# KiCad board untitled.kicad_pcb (continued)
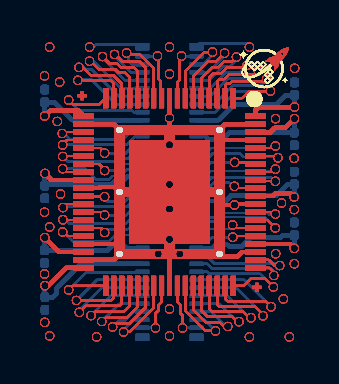
[diagram p0: board, top side]
## Routing (per net, layer and track width the routed paths; a pad name or vN(x,y) marks a point on that pad's centre or on a via; arc(x,y) is an arc through that point) (continued)
/PIN 49: length 235
  Top w0.1: 11.47,3.87 11.16,4.18 ; 11.47,3.87 11.56,3.87 ; 11.47,3.87 11.56,3.87 ; 11.47,3.87 11.16,4.18 ; 11.47,3.87 11.16,4.18 ; 11.47,3.87 11.56,3.87 ; 11.47,3.87 11.56,3.87 ; 11.47,3.87 11.56,3.87 ; 11.47,3.87 11.16,4.18 ; 11.47,3.87 11.16,4.18 ; 11.47,3.87 11.16,4.18 ; 11.47,3.87 11.56,3.87 ; 11.47,3.87 11.16,4.18 ; 11.47,3.87 11.56,3.87 ; 11.47,3.87 11.56,3.87 ; 11.47,3.87 11.16,4.18 ; 11.47,3.87 11.56,3.87 ; 11.47,3.87 11.56,3.87 ; 11.47,3.87 11.16,4.18 ; 11.47,3.87 11.16,4.18 ; 11.47,3.87 11.56,3.87 ; 11.47,3.87 11.56,3.87 ; 11.47,3.87 11.16,4.18 ; 11.47,3.87 11.16,4.18 ; 11.47,3.87 11.56,3.87 ; 11.47,3.87 11.56,3.87 ; 11.47,3.87 11.56,3.87 ; 11.47,3.87 11.16,4.18 ; 11.47,3.87 11.16,4.18 ; 11.47,3.87 11.16,4.18 ; 11.47,3.87 11.16,4.18 ; 11.47,3.87 11.16,4.18 ; 11.47,3.87 11.56,3.87 ; 11.47,3.87 11.16,4.18 ; 11.47,3.87 11.56,3.87 ; 11.47,3.87 11.16,4.18 ; 11.47,3.87 11.16,4.18 ; 11.47,3.87 11.16,4.18 ; 11.47,3.87 11.56,3.87 ; 11.47,3.87 11.16,4.18 ; 11.47,3.87 11.16,4.18 ; 11.47,3.87 11.16,4.18 ; 11.47,3.87 11.56,3.87 ; 11.47,3.87 11.56,3.87 ; 11.47,3.87 11.56,3.87 ; 11.47,3.87 11.56,3.87 ; 11.47,3.87 11.56,3.87 ; 11.47,3.87 11.56,3.87 ; 11.47,3.87 11.56,3.87 ; 11.47,3.87 11.16,4.18 ; 11.47,3.87 11.56,3.87 ; 11.47,3.87 11.16,4.18 ; 11.47,3.87 11.16,4.18 ; 11.47,3.87 11.56,3.87 ; 11.47,3.87 11.16,4.18 ; 11.47,3.87 11.56,3.87 ; 11.47,3.87 11.16,4.18 ; 11.47,3.87 11.56,3.87 ; 11.47,3.87 11.16,4.18 ; 11.47,3.87 11.56,3.87 ; 11.47,3.87 11.56,3.87 ; 11.47,3.87 11.16,4.18 ; 11.47,3.87 11.16,4.18 ; 11.47,3.87 11.56,3.87 ; 11.47,3.87 11.56,3.87 ; 11.47,3.87 11.56,3.87 ; 11.47,3.87 11.16,4.18 ; 11.47,3.87 11.16,4.18 ; 11.47,3.87 11.56,3.87 ; 11.47,3.87 11.16,4.18 ; 11.47,3.87 11.56,3.87 ; 11.47,3.87 11.16,4.18 ; 11.47,3.87 11.56,3.87 ; 11.47,3.87 11.56,3.87 ; 11.47,3.87 11.16,4.18 ; 11.47,3.87 11.56,3.87 ; 11.47,3.87 11.16,4.18 ; 11.47,3.87 11.16,4.18 ; 11.47,3.87 11.16,4.18 ; 11.47,3.87 11.56,3.87 ; 11.47,3.87 11.16,4.18 ; 11.47,3.87 11.16,4.18 ; 11.47,3.87 11.56,3.87 ; 11.47,3.87 11.56,3.87 ; 11.16,4.18 J158.61 ; 11.16,4.18 J158.61 ; 11.16,4.18 J158.61 ; 11.16,4.18 J158.61 ; 11.16,4.18 J158.61 ; 11.16,4.18 J158.61 ; 11.16,4.18 J158.61 ; 11.16,4.18 J158.61 ; 11.16,4.18 J158.61 ; 11.16,4.18 J158.61 ; 11.16,4.18 J158.61 ; 11.16,4.18 J158.61 ; 11.16,4.18 J158.61 ; 11.16,4.18 J158.61 ; 11.16,4.18 J158.61 ; 11.16,4.18 J158.61 ; 11.16,4.18 J158.61 ; 11.16,4.18 J158.61 ; 11.16,4.18 J158.61 ; 11.16,4.18 J158.61 ; 11.16,4.18 J158.61 ; 11.16,4.18 J158.61 ; 11.16,4.18 J158.61 ; 11.16,4.18 J158.61 ; 11.16,4.18 J158.61 ; 11.16,4.18 J158.61 ; 11.16,4.18 J158.61 ; 11.16,4.18 J158.61 ; 11.16,4.18 J158.61 ; 11.16,4.18 J158.61 ; 11.16,4.18 J158.61 ; 11.16,4.18 J158.61 ; 11.16,4.18 J158.61 ; 11.16,4.18 J158.61 ; 11.16,4.18 J158.61 ; 11.16,4.18 J158.61 ; 11.16,4.18 J158.61 ; 11.16,4.18 J158.61 ; 11.16,4.18 J158.61 ; 11.16,4.18 J158.61 ; 11.16,4.18 J158.61 ; 11.16,4.18 J158.61 ; v1(11.55,3.78) 11.55,3.86 ; v1(11.55,3.78) 11.55,3.86 ; v1(11.55,3.78) 11.55,3.86 ; v1(11.55,3.78) 11.55,3.86 ; v1(11.55,3.78) 11.55,3.86 ; v1(11.55,3.78) 11.55,3.86 ; v1(11.55,3.78) 11.55,3.86 ; v1(11.55,3.78) 11.55,3.86 ; v1(11.55,3.78) 11.55,3.86 ; v1(11.55,3.78) 11.55,3.86 ; v1(11.55,3.78) 11.55,3.86 ; v1(11.55,3.78) 11.55,3.86 ; v1(11.55,3.78) 11.55,3.86 ; v1(11.55,3.78) 11.55,3.86 ; v1(11.55,3.78) 11.55,3.86 ; v1(11.55,3.78) 11.55,3.86 ; v1(11.55,3.78) 11.55,3.86 ; v1(11.55,3.78) 11.55,3.86 ; v1(11.55,3.78) 11.55,3.86 ; v1(11.55,3.78) 11.55,3.86 ; v1(11.55,3.78) 11.55,3.86 ; v1(11.55,3.78) 11.55,3.86 ; v1(11.55,3.78) 11.55,3.86 ; v1(11.55,3.78) 11.55,3.86 ; v1(11.55,3.78) 11.55,3.86 ; v1(11.55,3.78) 11.55,3.86 ; v1(11.55,3.78) 11.55,3.86 ; v1(11.55,3.78) 11.55,3.86 ; v1(11.55,3.78) 11.55,3.86 ; v1(11.55,3.78) 11.55,3.86 ; v1(11.55,3.78) 11.55,3.86 ; v1(11.55,3.78) 11.55,3.86 ; v1(11.55,3.78) 11.55,3.86 ; v1(11.55,3.78) 11.55,3.86 ; v1(11.55,3.78) 11.55,3.86 ; v1(11.55,3.78) 11.55,3.86 ; v1(11.55,3.78) 11.55,3.86 ; v1(11.55,3.78) 11.55,3.86 ; v1(11.55,3.78) 11.55,3.86 ; v1(11.55,3.78) 11.55,3.86 ; v1(11.55,3.78) 11.55,3.86 ; v1(11.55,3.78) 11.55,3.86 ; 11.55,3.86 11.56,3.87 ; 11.55,3.86 11.56,3.87 ; 11.55,3.86 11.56,3.87 ; 11.55,3.86 11.56,3.87 ; 11.55,3.86 11.56,3.87 ; 11.55,3.86 11.56,3.87 ; 11.55,3.86 11.56,3.87 ; 11.55,3.86 11.56,3.87 ; 11.55,3.86 11.56,3.87 ; 11.55,3.86 11.56,3.87 ; 11.55,3.86 11.56,3.87 ; 11.55,3.86 11.56,3.87 ; 11.55,3.86 11.56,3.87 ; 11.55,3.86 11.56,3.87 ; 11.55,3.86 11.56,3.87 ; 11.55,3.86 11.56,3.87 ; 11.55,3.86 11.56,3.87 ; 11.55,3.86 11.56,3.87 ; 11.55,3.86 11.56,3.87 ; 11.55,3.86 11.56,3.87 ; 11.55,3.86 11.56,3.87 ; 11.55,3.86 11.56,3.87 ; 11.55,3.86 11.56,3.87 ; 11.55,3.86 11.56,3.87 ; 11.55,3.86 11.56,3.87 ; 11.55,3.86 11.56,3.87 ; 11.55,3.86 11.56,3.87 ; 11.55,3.86 11.56,3.87 ; 11.55,3.86 11.56,3.87 ; 11.55,3.86 11.56,3.87 ; 11.55,3.86 11.56,3.87 ; 11.55,3.86 11.56,3.87 ; 11.55,3.86 11.56,3.87 ; 11.55,3.86 11.56,3.87 ; 11.55,3.86 11.56,3.87 ; 11.55,3.86 11.56,3.87 ; 11.55,3.86 11.56,3.87 ; 11.55,3.86 11.56,3.87 ; 11.55,3.86 11.56,3.87 ; 11.55,3.86 11.56,3.87 ; 11.55,3.86 11.56,3.87 ; 11.55,3.86 11.56,3.87
  Bottom w0.1: v1(11.55,3.78) 11.55,3.86 ; v1(11.55,3.78) 11.55,3.86 ; v1(11.55,3.78) 11.55,3.86 ; v1(11.55,3.78) 11.55,3.86 ; v1(11.55,3.78) 11.55,3.86 ; v1(11.55,3.78) 11.55,3.86 ; v1(11.55,3.78) 11.55,3.86 ; v1(11.55,3.78) 11.55,3.86 ; v1(11.55,3.78) 11.55,3.86 ; v1(11.55,3.78) 11.55,3.86 ; v1(11.55,3.78) 11.55,3.86 ; v1(11.55,3.78) 11.55,3.86 ; v1(11.55,3.78) 11.55,3.86 ; v1(11.55,3.78) 11.55,3.86 ; v1(11.55,3.78) 11.55,3.86 ; v1(11.55,3.78) 11.55,3.86 ; v1(11.55,3.78) 11.55,3.86 ; v1(11.55,3.78) 11.55,3.86 ; v1(11.55,3.78) 11.55,3.86 ; v1(11.55,3.78) 11.55,3.86 ; v1(11.55,3.78) 11.55,3.86 ; v1(11.55,3.78) 11.55,3.86 ; v1(11.55,3.78) 11.55,3.86 ; v1(11.55,3.78) 11.55,3.86 ; v1(11.55,3.78) 11.55,3.86 ; v1(11.55,3.78) 11.55,3.86 ; v1(11.55,3.78) 11.55,3.86 ; v1(11.55,3.78) 11.55,3.86 ; v1(11.55,3.78) 11.55,3.86 ; v1(11.55,3.78) 11.55,3.86 ; v1(11.55,3.78) 11.55,3.86 ; v1(11.55,3.78) 11.55,3.86 ; v1(11.55,3.78) 11.55,3.86 ; v1(11.55,3.78) 11.55,3.86 ; v1(11.55,3.78) 11.55,3.86 ; v1(11.55,3.78) 11.55,3.86 ; v1(11.55,3.78) 11.55,3.86 ; v1(11.55,3.78) 11.55,3.86 ; v1(11.55,3.78) 11.55,3.86 ; v1(11.55,3.78) 11.55,3.86 ; v1(11.55,3.78) 11.55,3.86 ; v1(11.55,3.78) 11.55,3.86 ; 11.55,3.86 11.56,3.87 ; 11.55,3.86 11.56,3.87 ; 11.55,3.86 11.56,3.87 ; 11.55,3.86 11.56,3.87 ; 11.55,3.86 11.56,3.87 ; 11.55,3.86 11.56,3.87 ; 11.55,3.86 11.56,3.87 ; 11.55,3.86 11.56,3.87 ; 11.55,3.86 11.56,3.87 ; 11.55,3.86 11.56,3.87 ; 11.55,3.86 11.56,3.87 ; 11.55,3.86 11.56,3.87 ; 11.55,3.86 11.56,3.87 ; 11.55,3.86 11.56,3.87 ; 11.55,3.86 11.56,3.87 ; 11.55,3.86 11.56,3.87 ; 11.55,3.86 11.56,3.87 ; 11.55,3.86 11.56,3.87 ; 11.55,3.86 11.56,3.87 ; 11.55,3.86 11.56,3.87 ; 11.55,3.86 11.56,3.87 ; 11.55,3.86 11.56,3.87 ; 11.55,3.86 11.56,3.87 ; 11.55,3.86 11.56,3.87 ; 11.55,3.86 11.56,3.87 ; 11.55,3.86 11.56,3.87 ; 11.55,3.86 11.56,3.87 ; 11.55,3.86 11.56,3.87 ; 11.55,3.86 11.56,3.87 ; 11.55,3.86 11.56,3.87 ; 11.55,3.86 11.56,3.87 ; 11.55,3.86 11.56,3.87 ; 11.55,3.86 11.56,3.87 ; 11.55,3.86 11.56,3.87 ; 11.55,3.86 11.56,3.87 ; 11.55,3.86 11.56,3.87 ; 11.55,3.86 11.56,3.87 ; 11.55,3.86 11.56,3.87 ; 11.55,3.86 11.56,3.87 ; 11.55,3.86 11.56,3.87 ; 11.55,3.86 11.56,3.87 ; 11.55,3.86 11.56,3.87 ; 11.47,3.87 11.01,4.33 ; 11.47,3.87 11.01,4.33 ; 11.47,3.87 11.01,4.33 ; 11.47,3.87 11.01,4.33 ; 11.47,3.87 11.01,4.33 ; 11.47,3.87 11.56,3.87 ; 11.47,3.87 11.01,4.33 ; 11.47,3.87 11.01,4.33 ; 11.47,3.87 11.01,4.33 ; 11.47,3.87 11.56,3.87 ; 11.47,3.87 11.01,4.33 ; 11.47,3.87 11.01,4.33 ; 11.47,3.87 11.56,3.87 ; 11.47,3.87 11.56,3.87 ; 11.47,3.87 11.56,3.87 ; 11.47,3.87 11.01,4.33 ; 11.47,3.87 11.56,3.87 ; 11.47,3.87 11.56,3.87 ; 11.47,3.87 11.01,4.33 ; 11.47,3.87 11.56,3.87 ; 11.47,3.87 11.56,3.87 ; 11.47,3.87 11.56,3.87 ; 11.47,3.87 11.01,4.33 ; 11.47,3.87 11.01,4.33 ; 11.47,3.87 11.56,3.87 ; 11.47,3.87 11.56,3.87 ; 11.47,3.87 11.56,3.87 ; 11.47,3.87 11.01,4.33 ; 11.47,3.87 11.01,4.33 ; 11.47,3.87 11.56,3.87 ; 11.47,3.87 11.56,3.87 ; 11.47,3.87 11.01,4.33 ; 11.47,3.87 11.01,4.33 ; 11.47,3.87 11.56,3.87 ; 11.47,3.87 11.01,4.33 ; 11.47,3.87 11.01,4.33 ; 11.47,3.87 11.56,3.87 ; 11.47,3.87 11.01,4.33 ; 11.47,3.87 11.56,3.87 ; 11.47,3.87 11.56,3.87 ; 11.47,3.87 11.01,4.33 ; 11.47,3.87 11.01,4.33 ; 11.47,3.87 11.56,3.87 ; 11.47,3.87 11.56,3.87 ; 11.47,3.87 11.01,4.33 ; 11.47,3.87 11.56,3.87 ; 11.47,3.87 11.01,4.33 ; 11.47,3.87 11.01,4.33 ; 11.47,3.87 11.56,3.87 ; 11.47,3.87 11.56,3.87 ; 11.47,3.87 11.01,4.33 ; 11.47,3.87 11.56,3.87 ; 11.47,3.87 11.56,3.87 ; 11.47,3.87 11.56,3.87 ; 11.47,3.87 11.56,3.87 ; 11.47,3.87 11.01,4.33 ; 11.47,3.87 11.56,3.87 ; 11.47,3.87 11.01,4.33 ; 11.47,3.87 11.56,3.87 ; 11.47,3.87 11.56,3.87 ; 11.47,3.87 11.56,3.87 ; 11.47,3.87 11.01,4.33 ; 11.47,3.87 11.01,4.33 ; 11.47,3.87 11.01,4.33 ; 11.47,3.87 11.56,3.87 ; 11.47,3.87 11.56,3.87 ; 11.47,3.87 11.01,4.33 ; 11.47,3.87 11.56,3.87 ; 11.47,3.87 11.01,4.33 ; 11.47,3.87 11.56,3.87 ; 11.47,3.87 11.56,3.87 ; 11.47,3.87 11.01,4.33 ; 11.47,3.87 11.01,4.33 ; 11.47,3.87 11.56,3.87 ; 11.47,3.87 11.01,4.33 ; 11.47,3.87 11.56,3.87 ; 11.47,3.87 11.56,3.87 ; 11.47,3.87 11.01,4.33 ; 11.47,3.87 11.01,4.33 ; 11.47,3.87 11.01,4.33 ; 11.47,3.87 11.01,4.33 ; 11.47,3.87 11.56,3.87 ; 11.47,3.87 11.01,4.33 ; 11.47,3.87 11.56,3.87 ; 11.01,4.33 8.92,4.33 ; 11.01,4.33 8.92,4.33 ; 11.01,4.33 8.92,4.33 ; 11.01,4.33 8.92,4.33 ; 11.01,4.33 8.92,4.33 ; 11.01,4.33 8.92,4.33 ; 11.01,4.33 8.92,4.33 ; 11.01,4.33 8.92,4.33 ; 11.01,4.33 8.92,4.33 ; 11.01,4.33 8.92,4.33 ; 11.01,4.33 8.92,4.33 ; 11.01,4.33 8.92,4.33 ; 11.01,4.33 8.92,4.33 ; 11.01,4.33 8.92,4.33 ; 11.01,4.33 8.92,4.33 ; 11.01,4.33 8.92,4.33 ; 11.01,4.33 8.92,4.33 ; 11.01,4.33 8.92,4.33 ; 11.01,4.33 8.92,4.33 ; 11.01,4.33 8.92,4.33 ; 11.01,4.33 8.92,4.33 ; 11.01,4.33 8.92,4.33 ; 11.01,4.33 8.92,4.33 ; 11.01,4.33 8.92,4.33 ; 11.01,4.33 8.92,4.33 ; 11.01,4.33 8.92,4.33 ; 11.01,4.33 8.92,4.33 ; 11.01,4.33 8.92,4.33 ; 11.01,4.33 8.92,4.33 ; 11.01,4.33 8.92,4.33 ; 11.01,4.33 8.92,4.33 ; 11.01,4.33 8.92,4.33 ; 11.01,4.33 8.92,4.33 ; 11.01,4.33 8.92,4.33 ; 11.01,4.33 8.92,4.33 ; 11.01,4.33 8.92,4.33 ; 11.01,4.33 8.92,4.33 ; 11.01,4.33 8.92,4.33 ; 11.01,4.33 8.92,4.33 ; 11.01,4.33 8.92,4.33 ; 11.01,4.33 8.92,4.33 ; 11.01,4.33 8.92,4.33 ; 8.92,4.33 8.68,4.09 ; 8.92,4.33 8.68,4.09 ; 8.92,4.33 8.68,4.09 ; 8.92,4.33 8.68,4.09 ; 8.92,4.33 8.68,4.09 ; 8.92,4.33 8.68,4.09 ; 8.92,4.33 8.68,4.09 ; 8.92,4.33 8.68,4.09 ; 8.92,4.33 8.68,4.09 ; 8.92,4.33 8.68,4.09 ; 8.92,4.33 8.68,4.09 ; 8.92,4.33 8.68,4.09 ; 8.92,4.33 8.68,4.09 ; 8.92,4.33 8.68,4.09 ; 8.92,4.33 8.68,4.09 ; 8.92,4.33 8.68,4.09 ; 8.92,4.33 8.68,4.09 ; 8.92,4.33 8.68,4.09 ; 8.92,4.33 8.68,4.09 ; 8.92,4.33 8.68,4.09 ; 8.92,4.33 8.68,4.09 ; 8.92,4.33 8.68,4.09 ; 8.92,4.33 8.68,4.09 ; 8.92,4.33 8.68,4.09 ; 8.92,4.33 8.68,4.09 ; 8.92,4.33 8.68,4.09 ; 8.92,4.33 8.68,4.09 ; 8.92,4.33 8.68,4.09 ; 8.92,4.33 8.68,4.09 ; 8.92,4.33 8.68,4.09 ; 8.92,4.33 8.68,4.09 ; 8.92,4.33 8.68,4.09 ; 8.92,4.33 8.68,4.09 ; 8.92,4.33 8.68,4.09 ; 8.92,4.33 8.68,4.09 ; 8.92,4.33 8.68,4.09 ; 8.92,4.33 8.68,4.09 ; 8.92,4.33 8.68,4.09 ; 8.92,4.33 8.68,4.09 ; 8.92,4.33 8.68,4.09 ; 8.92,4.33 8.68,4.09 ; 8.92,4.33 8.68,4.09 ; 8.68,4.09 8.21,4.09 ; 8.68,4.09 8.21,4.09 ; 8.68,4.09 8.21,4.09 ; 8.68,4.09 8.21,4.09 ; 8.68,4.09 8.21,4.09 ; 8.68,4.09 8.21,4.09 ; 8.68,4.09 8.21,4.09 ; 8.68,4.09 8.21,4.09 ; 8.68,4.09 8.21,4.09 ; 8.68,4.09 8.21,4.09 ; 8.68,4.09 8.21,4.09 ; 8.68,4.09 8.21,4.09 ; 8.68,4.09 8.21,4.09 ; 8.68,4.09 8.21,4.09 ; 8.68,4.09 8.21,4.09 ; 8.68,4.09 8.21,4.09 ; 8.68,4.09 8.21,4.09 ; 8.68,4.09 8.21,4.09 ; 8.68,4.09 8.21,4.09 ; 8.68,4.09 8.21,4.09 ; 8.68,4.09 8.21,4.09 ; 8.68,4.09 8.21,4.09 ; 8.68,4.09 8.21,4.09 ; 8.68,4.09 8.21,4.09 ; 8.68,4.09 8.21,4.09 ; 8.68,4.09 8.21,4.09 ; 8.68,4.09 8.21,4.09 ; 8.68,4.09 8.21,4.09 ; 8.68,4.09 8.21,4.09 ; 8.68,4.09 8.21,4.09 ; 8.68,4.09 8.21,4.09 ; 8.68,4.09 8.21,4.09 ; 8.68,4.09 8.21,4.09 ; 8.68,4.09 8.21,4.09 ; 8.68,4.09 8.21,4.09 ; 8.68,4.09 8.21,4.09 ; 8.68,4.09 8.21,4.09 ; 8.68,4.09 8.21,4.09 ; 8.68,4.09 8.21,4.09 ; 8.68,4.09 8.21,4.09 ; 8.68,4.09 8.21,4.09 ; 8.68,4.09 8.21,4.09 ; 8.21,4.09 8.1,3.98 ; 8.21,4.09 8.1,3.98 ; 8.21,4.09 8.1,3.98 ; 8.21,4.09 8.1,3.98 ; 8.21,4.09 8.1,3.98 ; 8.21,4.09 8.1,3.98 ; 8.21,4.09 8.1,3.98 ; 8.21,4.09 8.1,3.98 ; 8.21,4.09 8.1,3.98 ; 8.21,4.09 8.1,3.98 ; 8.21,4.09 8.1,3.98 ; 8.21,4.09 8.1,3.98 ; 8.21,4.09 8.1,3.98 ; 8.21,4.09 8.1,3.98 ; 8.21,4.09 8.1,3.98 ; 8.21,4.09 8.1,3.98 ; 8.21,4.09 8.1,3.98 ; 8.21,4.09 8.1,3.98 ; 8.21,4.09 8.1,3.98 ; 8.21,4.09 8.1,3.98 ; 8.21,4.09 8.1,3.98 ; 8.21,4.09 8.1,3.98 ; 8.21,4.09 8.1,3.98 ; 8.21,4.09 8.1,3.98 ; 8.21,4.09 8.1,3.98 ; 8.21,4.09 8.1,3.98 ; 8.21,4.09 8.1,3.98 ; 8.21,4.09 8.1,3.98 ; 8.21,4.09 8.1,3.98 ; 8.21,4.09 8.1,3.98 ; 8.21,4.09 8.1,3.98 ; 8.21,4.09 8.1,3.98 ; 8.21,4.09 8.1,3.98 ; 8.21,4.09 8.1,3.98 ; 8.21,4.09 8.1,3.98 ; 8.21,4.09 8.1,3.98 ; 8.21,4.09 8.1,3.98 ; 8.21,4.09 8.1,3.98 ; 8.21,4.09 8.1,3.98 ; 8.21,4.09 8.1,3.98 ; 8.21,4.09 8.1,3.98 ; 8.21,4.09 8.1,3.98 ; 8.1,3.98 J173.22 ; 8.1,3.98 J173.22 ; 8.1,3.98 J173.22 ; 8.1,3.98 J173.22 ; 8.1,3.98 J173.22 ; 8.1,3.98 J173.22 ; 8.1,3.98 J173.22 ; 8.1,3.98 J173.22 ; 8.1,3.98 J173.22 ; 8.1,3.98 J173.22 ; 8.1,3.98 J173.22 ; 8.1,3.98 J173.22 ; 8.1,3.98 J173.22 ; 8.1,3.98 J173.22 ; 8.1,3.98 J173.22 ; 8.1,3.98 J173.22 ; 8.1,3.98 J173.22 ; 8.1,3.98 J173.22 ; 8.1,3.98 J173.22 ; 8.1,3.98 J173.22 ; 8.1,3.98 J173.22 ; 8.1,3.98 J173.22 ; 8.1,3.98 J173.22 ; 8.1,3.98 J173.22 ; 8.1,3.98 J173.22 ; 8.1,3.98 J173.22 ; 8.1,3.98 J173.22 ; 8.1,3.98 J173.22 ; 8.1,3.98 J173.22 ; 8.1,3.98 J173.22 ; 8.1,3.98 J173.22 ; 8.1,3.98 J173.22 ; 8.1,3.98 J173.22 ; 8.1,3.98 J173.22 ; 8.1,3.98 J173.22 ; 8.1,3.98 J173.22 ; 8.1,3.98 J173.22 ; 8.1,3.98 J173.22 ; 8.1,3.98 J173.22 ; 8.1,3.98 J173.22 ; 8.1,3.98 J173.22 ; 8.1,3.98 J173.22
/PIN 50: length 221.1
  Top w0.1: v1(11.56,4.47) 11.56,4.48 ; v1(11.56,4.47) 11.56,4.48 ; v1(11.56,4.47) 11.56,4.48 ; v1(11.56,4.47) 11.56,4.48 ; v1(11.56,4.47) 11.56,4.48 ; v1(11.56,4.47) 11.56,4.48 ; v1(11.56,4.47) 11.56,4.48 ; v1(11.56,4.47) 11.56,4.48 ; v1(11.56,4.47) 11.56,4.48 ; v1(11.56,4.47) 11.56,4.48 ; v1(11.56,4.47) 11.56,4.48 ; v1(11.56,4.47) 11.56,4.48 ; v1(11.56,4.47) 11.56,4.48 ; v1(11.56,4.47) 11.56,4.48 ; v1(11.56,4.47) 11.56,4.48 ; v1(11.56,4.47) 11.56,4.48 ; v1(11.56,4.47) 11.56,4.48 ; v1(11.56,4.47) 11.56,4.48 ; v1(11.56,4.47) 11.56,4.48 ; v1(11.56,4.47) 11.56,4.48 ; v1(11.56,4.47) 11.56,4.48 ; v1(11.56,4.47) 11.56,4.48 ; v1(11.56,4.47) 11.56,4.48 ; v1(11.56,4.47) 11.56,4.48 ; v1(11.56,4.47) 11.56,4.48 ; v1(11.56,4.47) 11.56,4.48 ; v1(11.56,4.47) 11.56,4.48 ; v1(11.56,4.47) 11.56,4.48 ; v1(11.56,4.47) 11.56,4.48 ; v1(11.56,4.47) 11.56,4.48 ; v1(11.56,4.47) 11.56,4.48 ; v1(11.56,4.47) 11.56,4.48 ; v1(11.56,4.47) 11.56,4.48 ; v1(11.56,4.47) 11.56,4.48 ; v1(11.56,4.47) 11.56,4.48 ; v1(11.56,4.47) 11.56,4.48 ; v1(11.56,4.47) 11.56,4.48 ; v1(11.56,4.47) 11.56,4.48 ; v1(11.56,4.47) 11.56,4.48 ; v1(11.56,4.47) 11.56,4.48 ; v1(11.56,4.47) 11.56,4.48 ; v1(11.56,4.47) 11.56,4.48 ; 11.56,4.48 11.47,4.58 ; 11.56,4.48 11.47,4.58 ; 11.56,4.48 11.47,4.58 ; 11.56,4.48 11.47,4.58 ; 11.56,4.48 11.47,4.58 ; 11.56,4.48 11.47,4.58 ; 11.56,4.48 11.47,4.58 ; 11.56,4.48 11.47,4.58 ; 11.56,4.48 11.47,4.58 ; 11.56,4.48 11.47,4.58 ; 11.56,4.48 11.47,4.58 ; 11.56,4.48 11.47,4.58 ; 11.56,4.48 11.47,4.58 ; 11.56,4.48 11.47,4.58 ; 11.56,4.48 11.47,4.58 ; 11.56,4.48 11.47,4.58 ; 11.56,4.48 11.47,4.58 ; 11.56,4.48 11.47,4.58 ; 11.56,4.48 11.47,4.58 ; 11.56,4.48 11.47,4.58 ; 11.56,4.48 11.47,4.58 ; 11.56,4.48 11.47,4.58 ; 11.56,4.48 11.47,4.58 ; 11.56,4.48 11.47,4.58 ; 11.56,4.48 11.47,4.58 ; 11.56,4.48 11.47,4.58 ; 11.56,4.48 11.47,4.58 ; 11.56,4.48 11.47,4.58 ; 11.56,4.48 11.47,4.58 ; 11.56,4.48 11.47,4.58 ; 11.56,4.48 11.47,4.58 ; 11.56,4.48 11.47,4.58 ; 11.56,4.48 11.47,4.58 ; 11.56,4.48 11.47,4.58 ; 11.56,4.48 11.47,4.58 ; 11.56,4.48 11.47,4.58 ; 11.56,4.48 11.47,4.58 ; 11.56,4.48 11.47,4.58 ; 11.56,4.48 11.47,4.58 ; 11.56,4.48 11.47,4.58 ; 11.56,4.48 11.47,4.58 ; 11.56,4.48 11.47,4.58 ; 11.47,4.58 J158.62 ; 11.47,4.58 J158.62 ; 11.47,4.58 J158.62 ; 11.47,4.58 J158.62 ; 11.47,4.58 J158.62 ; 11.47,4.58 J158.62 ; 11.47,4.58 J158.62 ; 11.47,4.58 J158.62 ; 11.47,4.58 J158.62 ; 11.47,4.58 J158.62 ; 11.47,4.58 J158.62 ; 11.47,4.58 J158.62 ; 11.47,4.58 J158.62 ; 11.47,4.58 J158.62 ; 11.47,4.58 J158.62 ; 11.47,4.58 J158.62 ; 11.47,4.58 J158.62 ; 11.47,4.58 J158.62 ; 11.47,4.58 J158.62 ; 11.47,4.58 J158.62 ; 11.47,4.58 J158.62 ; 11.47,4.58 J158.62 ; 11.47,4.58 J158.62 ; 11.47,4.58 J158.62 ; 11.47,4.58 J158.62 ; 11.47,4.58 J158.62 ; 11.47,4.58 J158.62 ; 11.47,4.58 J158.62 ; 11.47,4.58 J158.62 ; 11.47,4.58 J158.62 ; 11.47,4.58 J158.62 ; 11.47,4.58 J158.62 ; 11.47,4.58 J158.62 ; 11.47,4.58 J158.62 ; 11.47,4.58 J158.62 ; 11.47,4.58 J158.62 ; 11.47,4.58 J158.62 ; 11.47,4.58 J158.62 ; 11.47,4.58 J158.62 ; 11.47,4.58 J158.62 ; 11.47,4.58 J158.62 ; 11.47,4.58 J158.62
  Bottom w0.1: 11.47,4.43 11.28,4.43 ; 11.47,4.43 11.28,4.43 ; 11.47,4.43 11.28,4.43 ; 11.47,4.43 11.56,4.52 ; 11.47,4.43 11.28,4.43 ; 11.47,4.43 11.28,4.43 ; 11.47,4.43 11.56,4.52 ; 11.47,4.43 11.56,4.52 ; 11.47,4.43 11.28,4.43 ; 11.47,4.43 11.56,4.52 ; 11.47,4.43 11.56,4.52 ; 11.47,4.43 11.28,4.43 ; 11.47,4.43 11.56,4.52 ; 11.47,4.43 11.28,4.43 ; 11.47,4.43 11.28,4.43 ; 11.47,4.43 11.56,4.52 ; 11.47,4.43 11.28,4.43 ; 11.47,4.43 11.28,4.43 ; 11.47,4.43 11.28,4.43 ; 11.47,4.43 11.56,4.52 ; 11.47,4.43 11.28,4.43 ; 11.47,4.43 11.56,4.52 ; 11.47,4.43 11.56,4.52 ; 11.47,4.43 11.56,4.52 ; 11.47,4.43 11.28,4.43 ; 11.47,4.43 11.56,4.52 ; 11.47,4.43 11.28,4.43 ; 11.47,4.43 11.28,4.43 ; 11.47,4.43 11.28,4.43 ; 11.47,4.43 11.28,4.43 ; 11.47,4.43 11.56,4.52 ; 11.47,4.43 11.56,4.52 ; 11.47,4.43 11.28,4.43 ; 11.47,4.43 11.28,4.43 ; 11.47,4.43 11.56,4.52 ; 11.47,4.43 11.56,4.52 ; 11.47,4.43 11.56,4.52 ; 11.47,4.43 11.56,4.52 ; 11.47,4.43 11.28,4.43 ; 11.47,4.43 11.56,4.52 ; 11.47,4.43 11.56,4.52 ; 11.47,4.43 11.28,4.43 ; 11.47,4.43 11.56,4.52 ; 11.47,4.43 11.28,4.43 ; 11.47,4.43 11.28,4.43 ; 11.47,4.43 11.56,4.52 ; 11.47,4.43 11.28,4.43 ; 11.47,4.43 11.28,4.43 ; 11.47,4.43 11.56,4.52 ; 11.47,4.43 11.28,4.43 ; 11.47,4.43 11.56,4.52 ; 11.47,4.43 11.56,4.52 ; 11.47,4.43 11.28,4.43 ; 11.47,4.43 11.56,4.52 ; 11.47,4.43 11.28,4.43 ; 11.47,4.43 11.28,4.43 ; 11.47,4.43 11.56,4.52 ; 11.47,4.43 11.28,4.43 ; 11.47,4.43 11.56,4.52 ; 11.47,4.43 11.56,4.52 ; 11.47,4.43 11.56,4.52 ; 11.47,4.43 11.28,4.43 ; 11.47,4.43 11.28,4.43 ; 11.47,4.43 11.28,4.43 ; 11.47,4.43 11.56,4.52 ; 11.47,4.43 11.28,4.43 ; 11.47,4.43 11.56,4.52 ; 11.47,4.43 11.28,4.43 ; 11.47,4.43 11.56,4.52 ; 11.47,4.43 11.56,4.52 ; 11.47,4.43 11.56,4.52 ; 11.47,4.43 11.56,4.52 ; 11.47,4.43 11.56,4.52 ; 11.47,4.43 11.28,4.43 ; 11.47,4.43 11.28,4.43 ; 11.47,4.43 11.28,4.43 ; 11.47,4.43 11.56,4.52 ; 11.47,4.43 11.56,4.52 ; 11.47,4.43 11.28,4.43 ; 11.47,4.43 11.28,4.43 ; 11.47,4.43 11.56,4.52 ; 11.47,4.43 11.56,4.52 ; 11.47,4.43 11.56,4.52 ; 11.47,4.43 11.28,4.43 ; 11.28,4.43 11.18,4.53 ; 11.28,4.43 11.18,4.53 ; 11.28,4.43 11.18,4.53 ; 11.28,4.43 11.18,4.53 ; 11.28,4.43 11.18,4.53 ; 11.28,4.43 11.18,4.53 ; 11.28,4.43 11.18,4.53 ; 11.28,4.43 11.18,4.53 ; 11.28,4.43 11.18,4.53 ; 11.28,4.43 11.18,4.53 ; 11.28,4.43 11.18,4.53 ; 11.28,4.43 11.18,4.53 ; 11.28,4.43 11.18,4.53 ; 11.28,4.43 11.18,4.53 ; 11.28,4.43 11.18,4.53 ; 11.28,4.43 11.18,4.53 ; 11.28,4.43 11.18,4.53 ; 11.28,4.43 11.18,4.53 ; 11.28,4.43 11.18,4.53 ; 11.28,4.43 11.18,4.53 ; 11.28,4.43 11.18,4.53 ; 11.28,4.43 11.18,4.53 ; 11.28,4.43 11.18,4.53 ; 11.28,4.43 11.18,4.53 ; 11.28,4.43 11.18,4.53 ; 11.28,4.43 11.18,4.53 ; 11.28,4.43 11.18,4.53 ; 11.28,4.43 11.18,4.53 ; 11.28,4.43 11.18,4.53 ; 11.28,4.43 11.18,4.53 ; 11.28,4.43 11.18,4.53 ; 11.28,4.43 11.18,4.53 ; 11.28,4.43 11.18,4.53 ; 11.28,4.43 11.18,4.53 ; 11.28,4.43 11.18,4.53 ; 11.28,4.43 11.18,4.53 ; 11.28,4.43 11.18,4.53 ; 11.28,4.43 11.18,4.53 ; 11.28,4.43 11.18,4.53 ; 11.28,4.43 11.18,4.53 ; 11.28,4.43 11.18,4.53 ; 11.28,4.43 11.18,4.53 ; 11.18,4.53 8.75,4.53 ; 11.18,4.53 8.75,4.53 ; 11.18,4.53 8.75,4.53 ; 11.18,4.53 8.75,4.53 ; 11.18,4.53 8.75,4.53 ; 11.18,4.53 8.75,4.53 ; 11.18,4.53 8.75,4.53 ; 11.18,4.53 8.75,4.53 ; 11.18,4.53 8.75,4.53 ; 11.18,4.53 8.75,4.53 ; 11.18,4.53 8.75,4.53 ; 11.18,4.53 8.75,4.53 ; 11.18,4.53 8.75,4.53 ; 11.18,4.53 8.75,4.53 ; 11.18,4.53 8.75,4.53 ; 11.18,4.53 8.75,4.53 ; 11.18,4.53 8.75,4.53 ; 11.18,4.53 8.75,4.53 ; 11.18,4.53 8.75,4.53 ; 11.18,4.53 8.75,4.53 ; 11.18,4.53 8.75,4.53 ; 11.18,4.53 8.75,4.53 ; 11.18,4.53 8.75,4.53 ; 11.18,4.53 8.75,4.53 ; 11.18,4.53 8.75,4.53 ; 11.18,4.53 8.75,4.53 ; 11.18,4.53 8.75,4.53 ; 11.18,4.53 8.75,4.53 ; 11.18,4.53 8.75,4.53 ; 11.18,4.53 8.75,4.53 ; 11.18,4.53 8.75,4.53 ; 11.18,4.53 8.75,4.53 ; 11.18,4.53 8.75,4.53 ; 11.18,4.53 8.75,4.53 ; 11.18,4.53 8.75,4.53 ; 11.18,4.53 8.75,4.53 ; 11.18,4.53 8.75,4.53 ; 11.18,4.53 8.75,4.53 ; 11.18,4.53 8.75,4.53 ; 11.18,4.53 8.75,4.53 ; 11.18,4.53 8.75,4.53 ; 11.18,4.53 8.75,4.53 ; 8.51,4.29 7.7,4.29 ; 8.51,4.29 7.7,4.29 ; 8.51,4.29 8.75,4.53 ; 8.51,4.29 8.75,4.53 ; 8.51,4.29 7.7,4.29 ; 8.51,4.29 7.7,4.29 ; 8.51,4.29 8.75,4.53 ; 8.51,4.29 7.7,4.29 ; 8.51,4.29 7.7,4.29 ; 8.51,4.29 7.7,4.29 ; 8.51,4.29 8.75,4.53 ; 8.51,4.29 7.7,4.29 ; 8.51,4.29 7.7,4.29 ; 8.51,4.29 8.75,4.53 ; 8.51,4.29 8.75,4.53 ; 8.51,4.29 8.75,4.53 ; 8.51,4.29 8.75,4.53 ; 8.51,4.29 7.7,4.29 ; 8.51,4.29 8.75,4.53 ; 8.51,4.29 7.7,4.29 ; 8.51,4.29 7.7,4.29 ; 8.51,4.29 8.75,4.53 ; 8.51,4.29 7.7,4.29 ; 8.51,4.29 7.7,4.29 ; 8.51,4.29 7.7,4.29 ; 8.51,4.29 8.75,4.53 ; 8.51,4.29 8.75,4.53 ; 8.51,4.29 7.7,4.29 ; 8.51,4.29 8.75,4.53 ; 8.51,4.29 7.7,4.29 ; 8.51,4.29 7.7,4.29 ; 8.51,4.29 8.75,4.53 ; 8.51,4.29 7.7,4.29 ; 8.51,4.29 8.75,4.53 ; 8.51,4.29 8.75,4.53 ; 8.51,4.29 8.75,4.53 ; 8.51,4.29 8.75,4.53 ; 8.51,4.29 8.75,4.53 ; 8.51,4.29 8.75,4.53 ; 8.51,4.29 8.75,4.53 ; 8.51,4.29 8.75,4.53 ; 8.51,4.29 7.7,4.29 ; 8.51,4.29 8.75,4.53 ; 8.51,4.29 8.75,4.53 ; 8.51,4.29 7.7,4.29 ; 8.51,4.29 7.7,4.29 ; 8.51,4.29 8.75,4.53 ; 8.51,4.29 8.75,4.53 ; 8.51,4.29 7.7,4.29 ; 8.51,4.29 7.7,4.29 ; 8.51,4.29 7.7,4.29 ; 8.51,4.29 7.7,4.29 ; 8.51,4.29 8.75,4.53 ; 8.51,4.29 7.7,4.29 ; 8.51,4.29 8.75,4.53 ; 8.51,4.29 8.75,4.53 ; 8.51,4.29 8.75,4.53 ; 8.51,4.29 7.7,4.29 ; 8.51,4.29 8.75,4.53 ; 8.51,4.29 8.75,4.53 ; 8.51,4.29 7.7,4.29 ; 8.51,4.29 7.7,4.29 ; 8.51,4.29 8.75,4.53 ; 8.51,4.29 7.7,4.29 ; 8.51,4.29 7.7,4.29 ; 8.51,4.29 8.75,4.53 ; 8.51,4.29 8.75,4.53 ; 8.51,4.29 7.7,4.29 ; 8.51,4.29 8.75,4.53 ; 8.51,4.29 7.7,4.29 ; 8.51,4.29 7.7,4.29 ; 8.51,4.29 8.75,4.53 ; 8.51,4.29 7.7,4.29 ; 8.51,4.29 8.75,4.53 ; 8.51,4.29 7.7,4.29 ; 8.51,4.29 7.7,4.29 ; 8.51,4.29 7.7,4.29 ; 8.51,4.29 7.7,4.29 ; 8.51,4.29 8.75,4.53 ; 8.51,4.29 8.75,4.53 ; 8.51,4.29 8.75,4.53 ; 8.51,4.29 7.7,4.29 ; 8.51,4.29 7.7,4.29 ; 8.51,4.29 8.75,4.53 ; 7.7,4.29 J173.21 ; 7.7,4.29 J173.21 ; 7.7,4.29 J173.21 ; 7.7,4.29 J173.21 ; 7.7,4.29 J173.21 ; 7.7,4.29 J173.21 ; 7.7,4.29 J173.21 ; 7.7,4.29 J173.21 ; 7.7,4.29 J173.21 ; 7.7,4.29 J173.21 ; 7.7,4.29 J173.21 ; 7.7,4.29 J173.21 ; 7.7,4.29 J173.21 ; 7.7,4.29 J173.21 ; 7.7,4.29 J173.21 ; 7.7,4.29 J173.21 ; 7.7,4.29 J173.21 ; 7.7,4.29 J173.21 ; 7.7,4.29 J173.21 ; 7.7,4.29 J173.21 ; 7.7,4.29 J173.21 ; 7.7,4.29 J173.21 ; 7.7,4.29 J173.21 ; 7.7,4.29 J173.21 ; 7.7,4.29 J173.21 ; 7.7,4.29 J173.21 ; 7.7,4.29 J173.21 ; 7.7,4.29 J173.21 ; 7.7,4.29 J173.21 ; 7.7,4.29 J173.21 ; 7.7,4.29 J173.21 ; 7.7,4.29 J173.21 ; 7.7,4.29 J173.21 ; 7.7,4.29 J173.21 ; 7.7,4.29 J173.21 ; 7.7,4.29 J173.21 ; 7.7,4.29 J173.21 ; 7.7,4.29 J173.21 ; 7.7,4.29 J173.21 ; 7.7,4.29 J173.21 ; 7.7,4.29 J173.21 ; 7.7,4.29 J173.21 ; v1(11.56,4.47) 11.56,4.52 ; v1(11.56,4.47) 11.56,4.52 ; v1(11.56,4.47) 11.56,4.52 ; v1(11.56,4.47) 11.56,4.52 ; v1(11.56,4.47) 11.56,4.52 ; v1(11.56,4.47) 11.56,4.52 ; v1(11.56,4.47) 11.56,4.52 ; v1(11.56,4.47) 11.56,4.52 ; v1(11.56,4.47) 11.56,4.52 ; v1(11.56,4.47) 11.56,4.52 ; v1(11.56,4.47) 11.56,4.52 ; v1(11.56,4.47) 11.56,4.52 ; v1(11.56,4.47) 11.56,4.52 ; v1(11.56,4.47) 11.56,4.52 ; v1(11.56,4.47) 11.56,4.52 ; v1(11.56,4.47) 11.56,4.52 ; v1(11.56,4.47) 11.56,4.52 ; v1(11.56,4.47) 11.56,4.52 ; v1(11.56,4.47) 11.56,4.52 ; v1(11.56,4.47) 11.56,4.52 ; v1(11.56,4.47) 11.56,4.52 ; v1(11.56,4.47) 11.56,4.52 ; v1(11.56,4.47) 11.56,4.52 ; v1(11.56,4.47) 11.56,4.52 ; v1(11.56,4.47) 11.56,4.52 ; v1(11.56,4.47) 11.56,4.52 ; v1(11.56,4.47) 11.56,4.52 ; v1(11.56,4.47) 11.56,4.52 ; v1(11.56,4.47) 11.56,4.52 ; v1(11.56,4.47) 11.56,4.52 ; v1(11.56,4.47) 11.56,4.52 ; v1(11.56,4.47) 11.56,4.52 ; v1(11.56,4.47) 11.56,4.52 ; v1(11.56,4.47) 11.56,4.52 ; v1(11.56,4.47) 11.56,4.52 ; v1(11.56,4.47) 11.56,4.52 ; v1(11.56,4.47) 11.56,4.52 ; v1(11.56,4.47) 11.56,4.52 ; v1(11.56,4.47) 11.56,4.52 ; v1(11.56,4.47) 11.56,4.52 ; v1(11.56,4.47) 11.56,4.52 ; v1(11.56,4.47) 11.56,4.52
